# Altium PCB REB215_XPRO_Extension.PcbDoc (part 3 of 5) (continued)
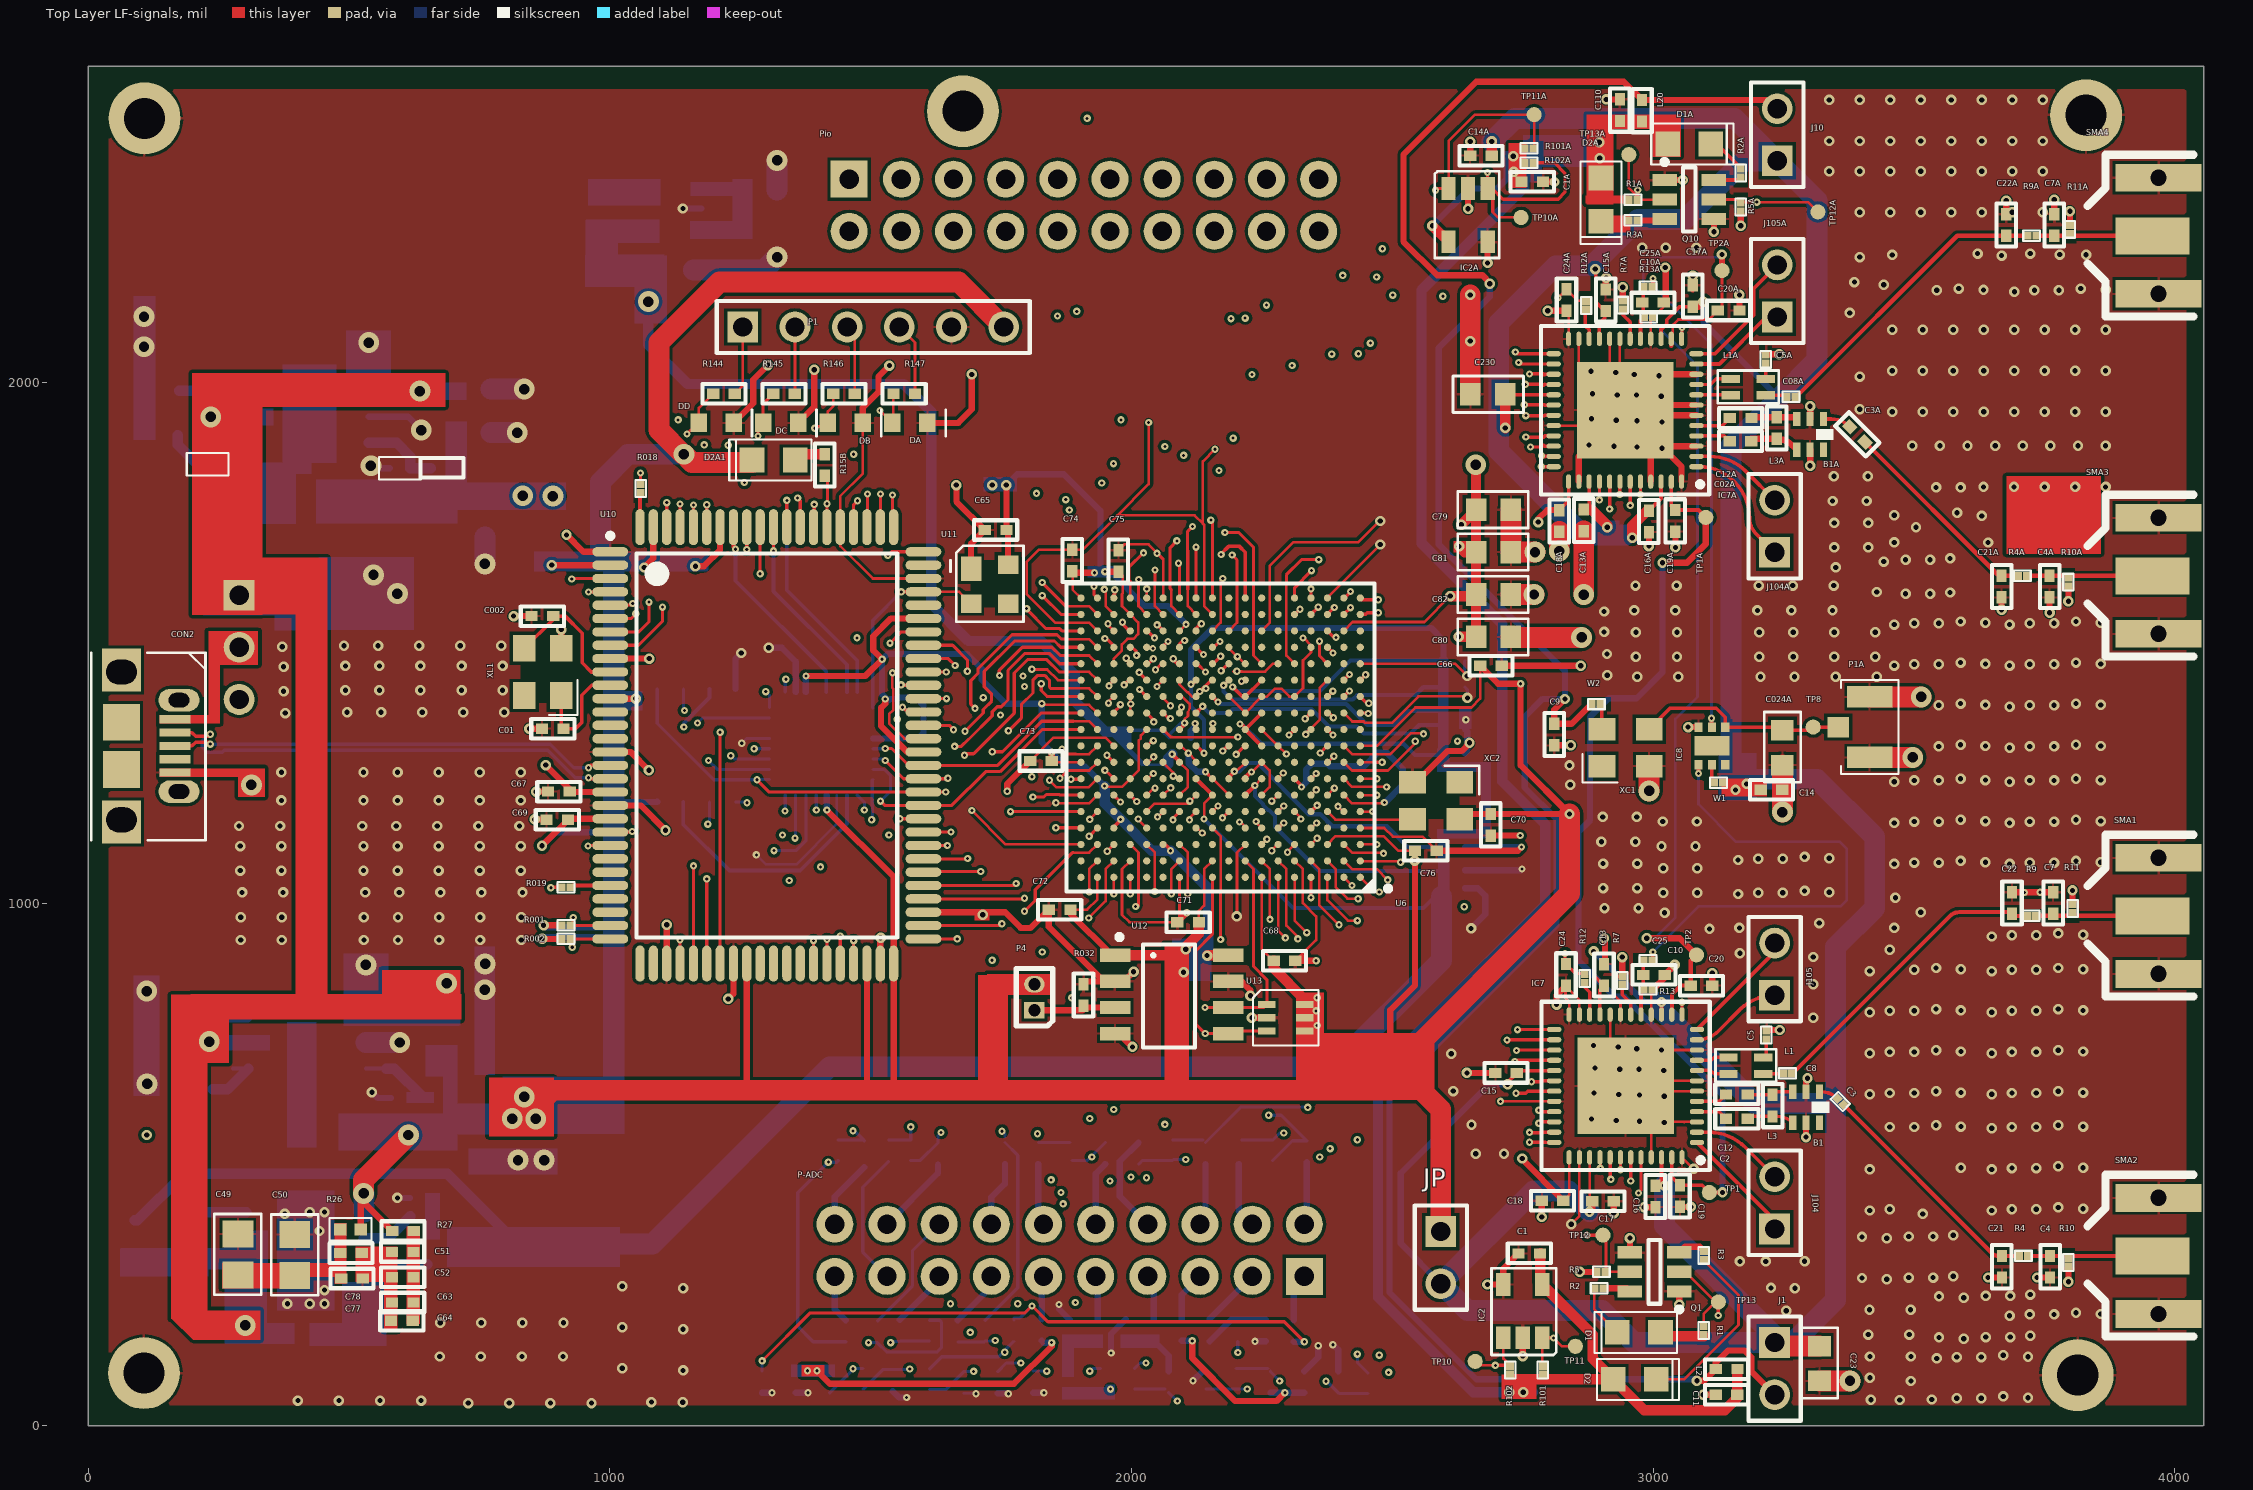
[diagram p0: Top Layer LF-signals view]
## Nets (pads, with @x,y where several pads share a name; then routed paths per layer and width w, separated by ;. In a path a pad name is that pad's centre, name@x,y a point inside that pad or via, vN(x,y) a via of type N, cw(c..) or ccw(c..) an arc to the next point about the centre after c; other vN are vias at no path point) (continued)
  other v2: 3712,1022 3742,1022.34 2122,1346 2142.59,1412.92
  other v3: 824,509 874,509 113,655 112.19,833 760.47,835.47 532.54,883 761,885 313,1228.3 592.83,1595 547,1630.9 107.06,2068 538,2076 107,2126
ID_SCL: IC2.1 R102.1 TP10.1 U6.C17 | length 2231.1
  Top Layer LF-signals w5: 1889,1098.3 1918.95,1098.3 U6.C17@1934.7,1114.05 ; TP10.1@2659,123 2666.63,115.37 v2(2697.63,115.37) ; IC2.1@2712.73,168.09 2712.73,128.63 R102.1@2726,115.37
  Top Layer LF-signals w6: v2(1795,986) 1815.59,1006.59 1815.59,1027.15 1886.73,1098.3 1889,1098.3
  Top Layer LF-signals w6.89: v2(2697.63,115.37) R102.1@2726,115.37
  Mid-1 w6: v2(1691,178.67) 1680,189.67 1680,431.21 1770.09,521.31 1770.09,871.12 1795,896.02 v2(1795,986)
  Mid-2 w6.89: v2(1691,178.67) 1697.74,185.41 2627.59,185.41 v2(2697.63,115.37)
ID_SDA: IC2.3 R101.1 TP11.1 U6.E18 | length 2523.3
  Top Layer LF-signals w5: R101.1@2787.54,116.53 IC2.3@2787.54,168.09 ; v2(2809,168) 2825,152 TP11.1@2851,152
  Top Layer LF-signals w6: v2@1767.04,1177.04 U6.E18@1903.2,1177.04
  Top Layer LF-signals w6.89: IC2.3@2787.54,168.09 2808.91,168.09 v2(2809,168) v2@2809,169.65
  Mid-1 w6: v2(1653,233.54) 1607.46,233.54 1585,256 1585,421 1748.91,584.91 1748.91,912.13 1771,934.22 1771,965.02 1763.09,972.92 1763.09,1172.1 v2(1768,1177)
  Mid-2 w6.89: v2(1653,233.54) 1666.46,233.54 1701.8,198.21 2663.8,198.21 2694,168 v2(2809,168)
IFCLK: R019.2 U6.P17 | length 1377.6
  Top Layer LF-signals w5: 1885,1476.25 1918.95,1476.25 U6.P17@1934.7,1460.5
  Top Layer LF-signals w6: v2(887,1031) 887.91,1031.91 R019.2@906.65,1031.91 ; v2@1746.58,1441.93 1746.58,1447.75 1790.95,1492.12 1847.42,1492.12 1863.29,1476.25 1885,1476.25
  Mid-2 w6: v2(887,1031) 889,1033 889,1107 1126.09,1344.1 1126.09,1376.59 1137.51,1388 1494.69,1388 1544.41,1338.28 1612.77,1338.28 1712.49,1438 v2(1747,1438)
INT4: U6.D10 U10.22 | length 1478.6
  Top Layer LF-signals w5: U6.D10@2155.17,1145.54 2170.92,1129.8 2170.92,1019.17
  Top Layer LF-signals w6: U10.22@1000.8,1137.66 1041.66,1137.66 v2(1043,1139) ; v2(2170.92,931.92) 2170.92,1019.17
  Mid-2 w6: v2(1043,1139) 1042,1139 1227,954 1671.84,954 1693.92,931.92 v2(2170.92,931.92)
INT5#: U6.U12 U10.84 | length 851.6
  Top Layer LF-signals w5: 2076.43,1602 2076.43,1570.74 U6.U12@2092.18,1554.99
  Top Layer LF-signals w6: U10.84@1467.34,1722.31 1467.34,1765.34 v2(1475,1773) ; 2076.43,1602 2074.09,1604.34 2074.09,1683.1 v2(2087,1696)
  Signal Layer 1 w6: v2(1475,1773) 1503.72,1744.28 1787.71,1744.28 1829,1703 2080,1703 v2(2087,1696)
IRQ: IC7.40 U6.D18 | length 1843.6
  Top Layer LF-signals w5: 1871.31,1145.54 U6.D18@1903.2,1145.54
  Top Layer LF-signals w6: v2(1855,1146) 1902.74,1146 U6.D18@1903.2,1145.54 ; IC7.40@2898.03,514.2 v2(2898.81,493.03)
  Mid-1 w6: v2(1846,471) 1846,484 1856.81,494.81 1856.81,1144.19 v2(1855,1146)
  Mid-2 w6: v2(1846,471) 1868.03,493.03 v2(2898.81,493.03)
LED_POWER: Q1.5 R5.1 TP12.1 U6.J17 | length 2354.9
  Top Layer LF-signals w5: 1894,1287.28 1918.95,1287.28 U6.J17@1934.7,1303.02 ; TP12.1@2904,365 2909.72,359.28 R5.1@2909.72,294.59 Q1.5@2955.49,294.59
  Top Layer LF-signals w6: v2(1867,1297) 1876.73,1287.28 1894,1287.28
  Top Layer LF-signals w6.89: v2(2873.44,365) TP12.1@2904,365
  Mid-1 w6: v2(1867,1297) 1900.91,1263.1 1900.91,516.1 1887.07,502.26 1887.07,241.44 v2(1892.51,236)
  Mid-2 w6.89: v2(1892.51,236) 1979.69,236 1991.9,223.8 2720.8,223.8 2862,365 v2(2873.44,365)
LED_TXRX: Q1.2 R1.1 TP13.1 U6.F18 | length 2605.7
  Top Layer LF-signals w5: Q1.2@3049.98,294.59 3062.41,294.59 3120,237 3097,214 R1.1@3097,191.35
  Top Layer LF-signals w6: v2(1811,1205) 1832.08,1205 1836.99,1209.91 1861.59,1209.91 1862.96,1208.54 U6.F18@1903.2,1208.54
  Top Layer LF-signals w6.89: v2(3125,211) TP13.1@3125,237
  Mid-1 w6: v2(1782,233.54) 1782,866.19 1811,895.19 v2(1811,1205)
  Mid-2 w6.89: v2(1782,233.54) 1804.54,211 v2(3125,211)
M0: U6.P12 U8.19 | length 1971.9
  Top Layer LF-signals w6: v2@2078,1470 2087.5,1460.5 U6.P12@2092.18,1460.5
  Mid-1 w6: v2(1227,1879.42) 1227.34,1879.08 1227.34,1767.32 1213.09,1753.08 1213.09,1475.07 1231.76,1456.41 v2(1231.76,1283.96) ; v2(2064,1877) 2065,1876 2065,1645.94 2076.8,1634.14 2076.09,1633.44 2076.09,1519.4 2085.91,1509.59 2085.91,1496.41 2080,1490.51 v2(2080,1470) v2@2080,1467.73
  Mid-2 w6: v2(1227,1879.42) 1237.23,1869.19 1295.52,1869.19 1305.24,1878.91 2062.09,1878.91 v2(2064,1877)
  Bottom Layer LF-signals w6: v2(1231.76,1283.96) 1237.96,1277.76 U8.19@1306.35,1277.76
M1: U6.P13 U8.23 | length 2152.7
  Top Layer LF-signals w6: v2(2046,1449) 2057.5,1460.5 U6.P13@2060.68,1460.5
  Mid-1 w6: v2(1131,1928) 1093.17,1890.17 1093.17,1661.48 1168,1586.65 v2(1168,1347) ; v2(1980,1928) 1995,1913 1995,1614.8 2010.81,1598.99 2010.81,1498.09 2025.81,1483.09 2025.81,1455.68 2032.49,1449 v2(2046,1449)
  Mid-2 w6: v2(1131,1928) v2(1980,1928)
  Bottom Layer LF-signals w6: v2(1168,1347) 1177.56,1356.56 U8.23@1306.35,1356.56
M2: U6.P11 U8.24 | length 1835.5
  Top Layer LF-signals w6: U6.P11@2123.67,1460.5 2126.23,1460.5 v2(2142,1444.73)
  Mid-1 w6: v2(1258,1808) 1258,1781.15 1225,1748.15 1225,1480 1298,1407 v2(1299,1407) ; v2(2142,1444.73) 2142,1459.51 2153.91,1471.41 2153.91,1510.1 2153.75,1510.25 2170.92,1527.41 2170.92,1605.59 2153.91,1622.6 2153.91,1714.91 2168.16,1729.16 2168.16,1830.85 v2(2168,1831)
  Mid-2 w6: v2(1258,1808) 1278.09,1828.1 2165.09,1828.1 v2(2168,1831)
  Bottom Layer LF-signals w6: v2(1299,1407) 1306.35,1399.65 U8.24@1306.35,1376.26
MISO: IC7.44 U6.G17 | length 2160.5
  Top Layer LF-signals w5: v2(1843,1237) 1856.41,1223.6 1891.09,1223.6 1891.32,1223.83 1918.5,1223.83 U6.G17@1934.7,1240.03
  Top Layer LF-signals w6: v2(2972,446) 2976.77,450.77 IC7.44@2976.77,514.2
  Mid-1 w6: v2(1843,1237) 1838.97,1232.97 1838.97,920.52 1844.91,914.59 1844.91,778.88 1800.18,734.16 1800.18,481.79 1856.97,425 v2(1869,425)
  Mid-2 w6: v2(1869,425) 1878.41,434.41 2430.59,434.41 2435.81,429.19 2955.19,429.19 v2(2972,446)
MOSI: IC7.43 U6.H17 | length 2036.7
  Top Layer LF-signals w5: 1877.78,1255.78 1918.95,1255.78 U6.H17@1934.7,1271.53
  Top Layer LF-signals w6: v2(1863,1241) 1877.78,1255.78 ; v2(2957.09,469) IC7.43@2957.09,514.2
  Mid-1 w6: v2(1863,1241) 1863,1237.51 1871.09,1229.41 1871.09,828.59 1869.09,826.59 1869.09,451.03 v2(1865.07,447) v2(1865.07,447)
  Mid-2 w6: v2@1865.07,446.32 2874.87,446.32 2880.09,441.1 2931.67,441.1 2957.09,466.51 v2(2957.09,469)
MR#: U11.3
NetB1_1: B1.1 C3.1 | length 37
  Top Layer LF-signals w7: B1.1@3318.7,639.66 3323.47,639.66 cw(c3323.47,598.58) C3.1@3352.52,627.63
NetB1A_1: B1A.1 C3A.1 | length 54.4
  Top Layer LF-signals w7: B1A.1@3326.59,1929.53 3341.3,1929.53 cw(c3341.3,1879.04) C3A.1@3377,1914.74
NetC01_1: C01.1 U10.11 XL1.1 | length 204.7
  Top Layer LF-signals w7: C01.1@906.87,1344.86 XL1.1@906.87,1399.44 ; C01.1@915.73,1336 934.16,1336 946,1347.84 946,1400 965.16,1419.16 U10.11@1000.8,1419.16
NetC002_1: C002.1 U10.10 XL1.3 | length 271.9
  Top Layer LF-signals w7: XL1.3@836.01,1489.99 891.34,1545.32 C002.1@891.34,1551.81 914.19,1551.81 947,1519 947,1462.1 964.35,1444.75 U10.10@1000.8,1444.75
NetC3_2: C3.2 C21.1 R4.1 | length 446.6
  Top Layer LF-signals w8.27: C3.2@3365.74,614.41 3650.57,329.57 ccw(c3661.22,340.22) C21.1@3661.22,325.17 ; C21.1@3668.65,325.17 R4.1@3700.65,325.17
NetC3A_2: C3A.2 C21A.1 R4A.1 | length 398.7
  Top Layer LF-signals w8.27: C3A.2@3406.23,1885.51 3662.74,1629 R4A.1@3698.65,1629
NetC4_1: C4.1 R4.2 R10.2 SMA2.1 | length 237.6
  Top Layer LF-signals w8.27: R4.2@3719.35,325.17 C4.1@3761,325.17 SMA2.1@3957,325.17
NetC4A_1: C4A.1 R4A.2 R10A.2 SMA3.1 | length 239.6
  Top Layer LF-signals w8.27: R4A.2@3717.41,1628.95 C4A.1@3760,1628.95 SMA3.1@3957,1628.95
NetC5_1: C5.1 L1.3 | length 28.4
  Top Layer LF-signals w7: L1.3@3217,711.28 C5.1@3217,739.65
NetC5A_1: C5A.1 L1A.3 | length 28.5
  Top Layer LF-signals w7: L1A.3@3215.94,2006.53 3215.94,2035 C5A.1@3216,2035.05
NetC7_1: C7.1 R9.2 R11.2 SMA1.1 | length 222.6
  Top Layer LF-signals w8.37: R9.2@3734.35,977.06 SMA1.1@3957,977.06
NetC7A_1: C7A.1 R9A.2 R11A.2 SMA4.1 | length 221.5
  Top Layer LF-signals w8.27: R9A.2@3735.52,2280.84 SMA4.1@3957,2280.84
NetC8_1: C8.1 L1.2 | length 37.5
  Top Layer LF-signals w7: L1.2@3211.47,674.25 3247.9,674.25 C8.1@3248.65,675
NetC8_2: C8.2 C22.1 R9.1 | length 573.7
  Top Layer LF-signals w7.87: C8.2@3267.35,675 3569.41,977.06 cw(c3586.78,959.68) 3586.78,984.25 C22.1@3684.75,984.25 ; C22.1@3688,981 3691.95,977.06 R9.1@3715.65,977.06
NetC08A_1: C08A.1 L1A.2 | length 32.7
  Top Layer LF-signals w7: L1A.2@3215.94,1975.03 C08A.1@3248.65,1975.03
NetC08A_2: C08A.2 C22A.1 R9A.1 | length 570.6
  Top Layer LF-signals w8.27: C08A.2@3274,1972 3583,2281 R9A.1@3716.65,2281
NetC10_1: C10.1 C25.2 IC7.17@2976.77,787.82 R13.2 | length 107.3
  Top Layer LF-signals w6.89: R13.2@2980.81,836 C10.1@2980.81,863.95 C25.2@2980.81,892
  Top Layer LF-signals w7: IC7.17@2976.77,787.82 R13.2@2976.77,839.1
NetC10A_1: C10A.1 C25A.2 IC7A.17@2975.77,2083.28 R13A.2 | length 101.3
  Top Layer LF-signals w6.89: IC7A.17@2975.77,2083.28 2975.77,2118.77 R13A.2@2982,2125 ; R13A.2@2981,2126 C25A.2@2981,2183
NetC024A_1: C024A.1 IC8.1 P1A.1 TP8.1 XC1.3 | length 407.2
  Top Layer LF-signals w7: XC1.3@2992.43,1335 3032.43,1375 3081.78,1375 ; 3095.61,1375 3081.78,1375 ; C024A.1@3241.85,1339.02 IC8.1@3138.22,1339.02 3138.22,1357.99 3121.21,1375 3081.78,1375 ; C024A.1@3247.84,1333.03 TP8.1@3300.99,1333.03 ; TP8.1@3306.9,1338.94 P1A.1@3355.13,1338.94
NetC25_1: C25.1 IC8.4 | length 922.4
  Top Layer LF-signals w6.89: C25.1@2999.51,892 v2(2999.51,907.81) ; v2@3087.03,1250.03 IC8.4@3087.03,1266.98
  Bottom Layer LF-signals w5: v2(2999.51,907.81) 3087,995.3 3359.3,995.3 3371,1007 3371,1106 3358,1119 3159.35,1119 3087,1191.35 v2(3087,1250)
NetC27_1: C27.1 R14.1 | length 57.9
  Bottom Layer LF-signals w20: R14.1@197.01,645 C27.1@197.01,702.89
NetC28_1: C28.1 U1.7 | length 98.1
  Bottom Layer LF-signals w20: 207,783 U1.7@305.15,783
NetC32_1: C32.1 R17.1 | length 70.9
  Bottom Layer LF-signals w20: C32.1@172,1898.4 172,1880.32 R17.1@209.32,1843
NetC33_1: C33.1 U3.7 | length 137.1
  Bottom Layer LF-signals w20: C33.1@174.99,1983.78 U3.7@312.07,1983.78
NetC41_2: C41.2 U5.8
NetC42_1: C42.1 U5.4 | length 112.7
  Bottom Layer LF-signals w20: C42.1@198,389.86 217.32,409.18 U5.4@302.68,409.18
NetC42_2: C42.2 L7.1 U5.2 U5.3 | length 105.5
  Bottom Layer LF-signals w20: L7.1@89,314.63 C42.2@194.49,314.63
NetC46_1: C46.1 U5.7 | length 121.1
  Bottom Layer LF-signals w20: U5.7@528.66,309.18 C46.1@649.72,309.18
NetC47_1: C47.1 U06.1 U06.3
NetCON2_2: CON2.2 U10.18 | length 915.4
  Top Layer LF-signals w6.5: CON2.2@166.24,1328.59 199.02,1328.59 206.07,1321.55 230.25,1321.55 v2(234,1325.3) ; v2(959.29,1242) 961.13,1242 963.1,1240.02 U10.18@1000.8,1240.02
  Bottom Layer LF-signals w6.5: v2(234,1325.3) 231.43,1325.3 218.75,1312.61 218.75,1299.98 227.73,1291 256.67,1291 260.47,1294.8 881.21,1294.8 934,1242 v2(959.29,1242)
NetCON2_3: CON2.3 U10.17 | length 860.2
  Top Layer LF-signals w6.5: CON2.3@166.24,1303 199.02,1303 206.07,1310.05 230.25,1310.05 v2(234,1306.3) ; v2(959.29,1261) 963.1,1264.81 963.1,1265.61 U10.17@1000.8,1265.61
  Bottom Layer LF-signals w6.5: v2(234,1306.3) 885.97,1306.3 931.26,1261 v2(959.29,1261)
NetD1_1: D1.1 R2.2 | length 102.8
  Top Layer LF-signals w5: R2.2@2887.08,263.1 2887.08,223.02 D1.1@2931.43,178.67
NetD1_2: D1.2 R1.2 | length 86.1
  Top Layer LF-signals w20: D1.2@3014.11,178.67 3021.83,170.94 R1.2@3097,170.94
NetD1A_1: D1A.1 R2A.2 | length 65
  Top Layer LF-signals w7: D1A.1@3122.04,2456.67 R2A.2@3168,2410.7
NetD2_1: D2.1 R3.2 | length 352.1
  Top Layer LF-signals w5: D2.1@3006.3,88.63 3059.63,88.63 3163.78,192.78 3163.78,250.18 R3.2@3097.22,316.74
NetD2A1_2: D2A1.2 R15B.1 | length 45.9
  Top Layer LF-signals w20: D2A1.2@1366.34,1862 R15B.1@1412.25,1862
NetD2A_1: D2A.1 R3A.2
NetIC7_1: IC7.1 J104.1 | length 225.7
  Top Layer LF-signals w7: IC7.1@3084.06,542.74 3221.13,405.67 cw(c3192.46,377) J104.1@3233,377
NetIC7_2: IC7.2 J104.2 | length 180.1
  Top Layer LF-signals w7: IC7.2@3084.06,562.43 3106.57,562.43 cw(c3106.57,463.43) 3176.57,533.43 J104.2@3233,477
NetIC7_11: IC7.11@3084.06,739.59 J105.1 | length 177.7
  Top Layer LF-signals w7: IC7.11@3084.06,739.59 ccw(c3084.06,798.82) 3125.94,756.94 3166.42,797.42 cw(c3233,730.85) J105.1@3233,825
NetIC7_12: IC7.12@3084.06,759.28 J105.2 | length 225.7
  Top Layer LF-signals w7: IC7.12@3084.06,759.28 3221.14,896.36 ccw(c3192.49,925) J105.2@3233,925
NetIC7_18: IC7.18 R7.1 | length 63.2
  Top Layer LF-signals w7: R7.1@2941,844.37 2941,825.9 2957.09,809.81 IC7.18@2957.09,787.82
NetIC7_22: IC7.22 R12.2 | length 56.1
  Top Layer LF-signals w7: R12.2@2869,840.05 2878.35,830.71 IC7.22@2878.35,787.82
NetIC7A_1: IC7A.1 J104A.1 | length 241.9
  Top Layer LF-signals w7: IC7A.1@3083.06,1838.21 3088.32,1838.21 cw(c3088.32,1745.32) 3154,1811 3156,1809 cw(c3086,1738.99) 3185,1738.99 ccw(c3226.02,1738.99) 3197.02,1709.98 J104A.1@3233,1674
NetIC7A_2: IC7A.2 J104A.2 | length 180.4
  Top Layer LF-signals w7: IC7A.2@3083.06,1857.89 3108.1,1857.89 cw(c3108.1,1758.89) 3178.11,1828.89 J104A.2@3233,1774
NetIC7A_11: IC7A.11@3083.06,2035.06 J105A.1 | length 192.2
  Top Layer LF-signals w7: IC7A.11@3083.06,2035.06 3127.06,2035.06 3217,2125 J105A.1@3238,2125
NetIC7A_12: IC7A.12@3083.06,2054.74 J105A.2 | length 255.3
  Top Layer LF-signals w7: IC7A.12@3083.06,2054.74 3118.74,2054.74 3193,2129 3193,2180 J105A.2@3238,2225
NetIC7A_18: IC7A.18 R7A.1 | length 61.2
  Top Layer LF-signals w6.89: R7A.1@2942,2138.65 2942,2129.54 2956.09,2115.45 IC7A.18@2956.09,2083.28
NetIC7A_22: IC7A.22 R12A.2 | length 57.8
  Top Layer LF-signals w7: R12A.2@2871.44,2137.48 2870,2136.04 2870,2108 2877.35,2100.65 IC7A.22@2877.35,2083.28
NetIC8_5: IC8.5 W1.1 | length 30.8
  Top Layer LF-signals w7: W1.1@3112.63,1236.13 IC8.5@3112.63,1266.98
NetL4_1: L4.1 U1.9
NetL5_1: L5.1 U3.9
NetL8_1: L8.1 U06.5
NetP1_1: P1.1 R144.2 | length 134.5
  Top Layer LF-signals w5: R144.2@1239.34,1978 1255,1993.66 P1.1@1255,2106
NetP1_2: P1.2 R145.2 | length 127.6
  Top Layer LF-signals w5: R145.2@1355,1978.44 P1.2@1355,2106
NetP1_3: P1.3 R146.2 | length 113.2
  Top Layer LF-signals w5: R146.2@1469.78,1978 P1.3@1469.78,2091.22
NetP1_4: P1.4 R147.2 | length 140.4
  Top Layer LF-signals w5: P1.4@1555,2106 1585,2076 R147.2@1585,1978
NetP4_1: P4.1 R032.1 U12.3 | length 157.1
  Top Layer LF-signals w12: P4.1@1814,796 1906.09,796 1911.55,801.45 U12.3@1968.83,801.45
NetPio_1: Pio.1 U6.D8 | length 2241.3
  Top Layer LF-signals w5: v2(2207,1157) 2209,1157 2218.16,1147.84 U6.D8@2218.16,1145.54
  Mid-1 w6: v2(1404,1071) 1443.97,1110.97 1443.97,1977.54 1505,2038.57 1505,2343.35 Pio.1@1458.95,2389.4
  Mid-2 w6: v2(1404,1071) 1404.09,1071.1 1692.59,1071.1 1723.59,1102.1 1922.75,1102.1 1942.65,1122 2121.51,1122 2127.41,1116.1 2168.09,1116.1 2207,1155 v2(2207,1157)
NetPio_2: Pio.2 U6.C7 | length 2269.3
  Top Layer LF-signals w5: U6.C7@2249.66,1114.05 v2(2259.53,1123.92)
  Mid-1 w6: v2(1344,1045) 1432.06,1133.06 1432.06,2028.63 1413.82,2046.88 1413.82,2078.9 1414,2079.08 1414,2244.46 Pio.2@1458.95,2289.4
  Mid-2 w6: v2(1344,1045) 1345.09,1046.1 1717.59,1046.1 1726.49,1055 1875.65,1055 1905.75,1085.1 2220.71,1085.1 v2(2259.53,1123.92)
NetPio_3: Pio.3 U6.C2 | length 2513.4
  Top Layer LF-signals w5: U6.C2@2407.14,1114.05 2422.89,1098.3 2481.7,1098.3 v2(2483,1097)
  Mid-1 w6: v2(2483,1097) 2517.91,1131.91 2517.91,1225.84 2588.91,1296.84 2588.91,2079.91 2597,2088 v2(2597,2165)
  Signal Layer 1 w6: Pio.3@1558.95,2389.4 1505,2335.46 1505,2240.46 1581.74,2163.72 2481.79,2163.72 2505.51,2140 2572,2140 v2(2597,2165)
NetPio_4: Pio.4 U6.H1 | length 1993
  Top Layer LF-signals w5: U6.H1@2438.63,1271.53 2470.52,1271.53
  Top Layer LF-signals w6: 2470.52,1271.53 v2(2480.47,1271.53)
  Mid-1 w6: v2(2480.47,1271.53) 2512,1303.06 2512,2156 v2(2501,2167)
  Signal Layer 1 w6: Pio.4@1558.95,2289.4 1558.95,2212.06 1595.38,2175.62 2492.38,2175.62 v2(2501,2167)
NetPio_5: Pio.5 U6.G1 | length 2077.3
  Top Layer LF-signals w5: U6.G1@2438.63,1240.03 v2(2470.52,1240.03)
  Mid-1 w6: v2(2470,2201.91) 2485.09,2186.81 2485.09,2160.41 2496,2149.51 2496,1317 2464.57,1285.57 2464.57,1245.99 v2(2470.52,1240.03)
  Signal Layer 1 w6: Pio.5@1658.95,2389.4 1608.69,2339.15 1608.69,2243.31 1664.47,2187.53 2415.02,2187.53 2429.4,2201.91 v2(2470,2201.91)
NetPio_6: Pio.6 U6.F1 | length 1817.1
  Top Layer LF-signals w5: U6.F1@2438.63,1208.54 v2(2470.52,1208.54)
  Mid-1 w6: v2(2458,2075) 2458,1552.03 2482,1528.03 2482,1329.91 2452.66,1300.57 2452.66,1226.4 v2(2470.52,1208.54)
  Mid-2 w6: Pio.6@1658.95,2289.4 1658.95,2286.95 1870.9,2075 v2(2458,2075)
NetPio_7: Pio.7 U6.E1 | length 1951.9
  Top Layer LF-signals w5: U6.E1@2438.63,1177.04 v2(2462,1177.04)
  Mid-1 w6: v2(2435,2054.74) 2435,1450.59 2434,1449.59 2434,1205.04 v2(2462,1177.04)
  Mid-2 w6: Pio.7@1758.95,2389.4 1810,2338.35 1810,2152.73 1869.73,2093 2475,2093 2487.4,2080.6 2487.4,2062.4 2479.74,2054.74 v2(2435,2054.74)
NetPio_8: Pio.8 U6.J3 | length 1903.9
  Top Layer LF-signals w6: v2(2362,1289.38) U6.J3@2375.64,1303.02
  Mid-1 w6: v2(2362,1289.38) 2362,1482.58 2376.44,1497.02 2376.44,1510.19 2373,1513.63 2373,1642 2384,1653 v2(2384,2054)
  Mid-2 w6: Pio.8@1758.95,2289.4 1714.61,2333.74 1621.74,2333.74 1605.22,2317.22 1605.22,2246.78 1680,2172 1757.06,2172 1865.97,2063.1 2374.91,2063.1 v2(2384,2054)
NetPio_9: Pio.9 U6.J2 | length 1920.4
  Top Layer LF-signals w5: U6.J2@2407.14,1303.02 2422.89,1287.28 2496.22,1287.28 2536.26,1327.31 2558.69,1327.31 v2(2560,1326)
  Mid-1 w6: v2(2481,2256) 2496,2256 2560,2192 v2(2560,1326)
  Mid-2 w6: Pio.9@1858.95,2389.4 1915.54,2446 2373.16,2446 2481,2338.16 v2(2481,2256)
NetPio_10: Pio.10 U6.D7 | length 1621.4
  Top Layer LF-signals w5: v2(2239,1158) 2239,1156.2 U6.D7@2249.66,1145.54
  Mid-1 w6: v2(2191,2122) 2136.34,2067.35 2136.34,1701.35 2142,1695.7 2142,1617.67 2159.01,1600.66 2159.01,1532.34 2122.09,1495.43 2122.09,1453.08 2097,1427.99 2097,1411 2120.51,1387.49 2120.51,1372.32 2129.9,1362.93 2165.08,1362.93 2178,1350 2178,1321.98 2159.01,1302.99 2159.01,1236.19 2237.2,1158 v2(2239,1158)
  Mid-2 w6: Pio.10@1858.95,2289.4 1858.95,2149.56 1890.51,2118 2187,2118 v2(2191,2122)
NetPio_11: Pio.11 U6.D4 | length 1566.9
  Top Layer LF-signals w5: U6.D4@2344.15,1145.54 2345.54,1145.54 v2(2355,1155)
  Mid-1 w6: Pio.11@1958.95,2389.4 1911,2341.46 1911,2258 2002,2167 2196.49,2167 2239.38,2124.12 2239.38,2029.12 2251.28,2017.21 2251.28,1273.88 2257.81,1267.35 2257.81,1252.19 v2(2355,1155)
NetPio_12: Pio.12 U6.F4 | length 1362.8
  Top Layer LF-signals w5: U6.F4@2344.15,1208.54 v2(2354.21,1218.6)
  Mid-1 w6: Pio.12@1958.95,2289.4 2058.35,2190 2239.12,2190 2275.09,2154.02 2275.09,1283.74 2291.93,1266.91 2305.59,1266.91 2353.89,1218.6 v2(2354.21,1218.6)
NetPio_13: Pio.13 U6.F3 | length 1393.5
  Top Layer LF-signals w5: U6.F3@2375.64,1208.54 v2(2389,1221.89)
  Mid-1 w6: Pio.13@2058.95,2389.4 2111.27,2337.08 2111.27,2257.73 2150,2219 2179,2219 2196.09,2201.91 2244.05,2201.91 2336,2109.95 2336,1884 2305.43,1853.43 2305.43,1485.57 2318,1473 2318,1310 2389,1239 v2(2389,1221.89)
NetPio_14: Pio.14 U6.E2 | length 1466.3
  Top Layer LF-signals w5: v2@2395,1187.8 2395.2,1187.8 v2(2396,1187) 2396,1186.8 2405.76,1177.04 U6.E2@2407.14,1177.04
  Mid-1 w6: v2(2396,1187) 2422.09,1213.1 2422.09,1383.07 2403,1402.16 2403,1454.87 2407,1458.87 2407,1517.21 2405,1519.21 v2(2405,2205)
  Signal Layer 1 w6: Pio.14@2058.95,2289.4 2058.95,2239.24 2093.19,2205 v2(2405,2205)
NetPio_15: Pio.15 U6.H2 | length 1545.6
  Top Layer LF-signals w5: U6.H2@2407.14,1271.53 2422.89,1255.78 2491.68,1255.78 2544.09,1308.2 v2(2544.09,1311.91)
  Mid-1 w6: Pio.15@2158.95,2389.4 2209.35,2339 2292,2339 2313.79,2317.21 2313.79,2253.46 2331.25,2236 2487,2236 2544.09,2178.91 v2(2544.09,1311.91)
NetPio_16: Pio.16 U6.G2 | length 1470.4
  Top Layer LF-signals w5: U6.G2@2407.14,1240.03 2422.89,1224.28 v2(2489.25,1224.28)
  Mid-1 w6: Pio.16@2158.95,2289.4 2159.6,2289.4 2226.28,2222.72 2483.44,2222.72 2524,2182.16 2524,1291.41 2489.25,1256.66 v2(2489.25,1224.28)
NetPio_17: Pio.17 U6.C1 | length 1559.6
  Top Layer LF-signals w5: U6.C1@2438.63,1114.05 v2(2470.52,1114.05)
  Mid-1 w6: Pio.17@2258.95,2389.4 2311.35,2337 2442,2337 2577,2202 2577,1301.77 2506,1230.77 2506,1149.52 v2(2470.52,1114.05)
NetPio_18: Pio.18 U6.G6 | length 1067
  Top Layer LF-signals w5: U6.G6@2281.15,1240.03 2281.15,1241.15 v2(2291,1251)
  Mid-1 w6: v2(2258.81,2147.81) v2@2259,2148 ; v2@2259.62,2148 2259.62,2025.71 2263.19,2022.14 2263.19,1278.81 v2(2291,1251)
  Mid-2 w6: v2(2258.81,2147.81) 2258.95,2147.95 Pio.18@2258.95,2289.4
NetPio_19: Pio.19@2358.95,2389.4 U6.F6 | length 1719.5
  Top Layer LF-signals w5: v2(2269,1197) 2269.62,1197 U6.F6@2281.15,1208.54
  Mid-1 w6: v2(2231,2015) 2239.38,2006.62 2239.38,1268.95 2245.91,1262.42 2245.91,1244.1 2269,1221 v2(2269,1197)
  Signal Layer 1 w6: v2(2231,2015) 2529,2015 2624.81,2110.81 2624.81,2203.19 2438.6,2389.4 Pio.19@2358.95,2389.4
NetPio_20: Pio.20 U6.G4 | length 1533.9
  Top Layer LF-signals w6: U6.G4@2344.15,1240.03 v2(2354.12,1250)
  Mid-1 w6: v2(2308,2032) 2308,1891.05 2287,1870.05 2287,1317.79 2301.61,1303.18 2303.49,1303.18 2354.12,1252.56 v2(2354.12,1250)
  Signal Layer 1 w6: v2(2308,2032) 2518,2032 2612.91,2126.91 2612.91,2186.1 2581.19,2217.81 2430.54,2217.81 Pio.20@2358.95,2289.4
NetQ1_3: Q1.3 R3.1 | length 54.9
  Top Layer LF-signals w12: Q1.3@3049.98,331.99 3060.98,343 3089.66,343 R3.1@3097.22,335.44
NetQ1_6: Q1.6 R2.1 | length 43.8
  Top Layer LF-signals w12: R2.1@2905.78,263.1 Q1.6@2949.58,263.1
NetQ10_3: Q10.3 R3A.1 | length 48.9
  Top Layer LF-signals w12: R3A.1@2970.6,2310.35 Q10.3@3019.45,2310.35
NetQ10_6: Q10.6 R2A.1 | length 47.2
  Top Layer LF-signals w7: Q10.6@3116.56,2387.77 R2A.1@3163.78,2387.77
NetR14_2: R14.2 U1.5 | length 113.3
  Bottom Layer LF-signals w7: U1.5@277.75,684.4 U1.5@306.55,684.4
  Bottom Layer LF-signals w20: R14.2@238.35,645 267.15,645 U1.5@306.55,684.4
NetR015_1: R015.1 R16.2 U1.4 | length 163.5
  Bottom Layer LF-signals w7: U1.4@532.54,684.4 U1.4@571.6,684.4 ; R16.2@621.35,628.01 643,628.01 R015.1@651,628.01
  Bottom Layer LF-signals w20: U1.4@571.6,684.4 586.6,684.4 R015.1@643,628.01
NetR17_2: R17.2 U3.5 | length 80.3
  Bottom Layer LF-signals w20: R17.2@248.69,1843 289.47,1883.78 U3.5@312.07,1883.78
NetR018_1: R018.1 U10.100 | length 65.5
  Top Layer LF-signals w7: U10.100@1057.89,1722.31 1057.89,1786.19 R018.1@1059,1787.3
NetR18_1: R18.1 R19.2 U3.4 | length 151.6
  Bottom Layer LF-signals w20: U3.4@538.06,1883.78 591.22,1883.78 617.49,1857.51 R19.2@617.49,1835.41 R18.1@656.71,1835.41